# Altium PCB OBC.PcbDoc (part 2 of 2)
Units mil, origin at the board's own origin, x right, y up, seen from the top; angles counter-clockwise.
Board outline 3775.2 x 3550 mil, 4 copper layers (Top Layer, horizontal, vertical, Bottom Layer), stack 70.112 mil thick; 125 components, 157 nets, 629 pads, 282 vias.
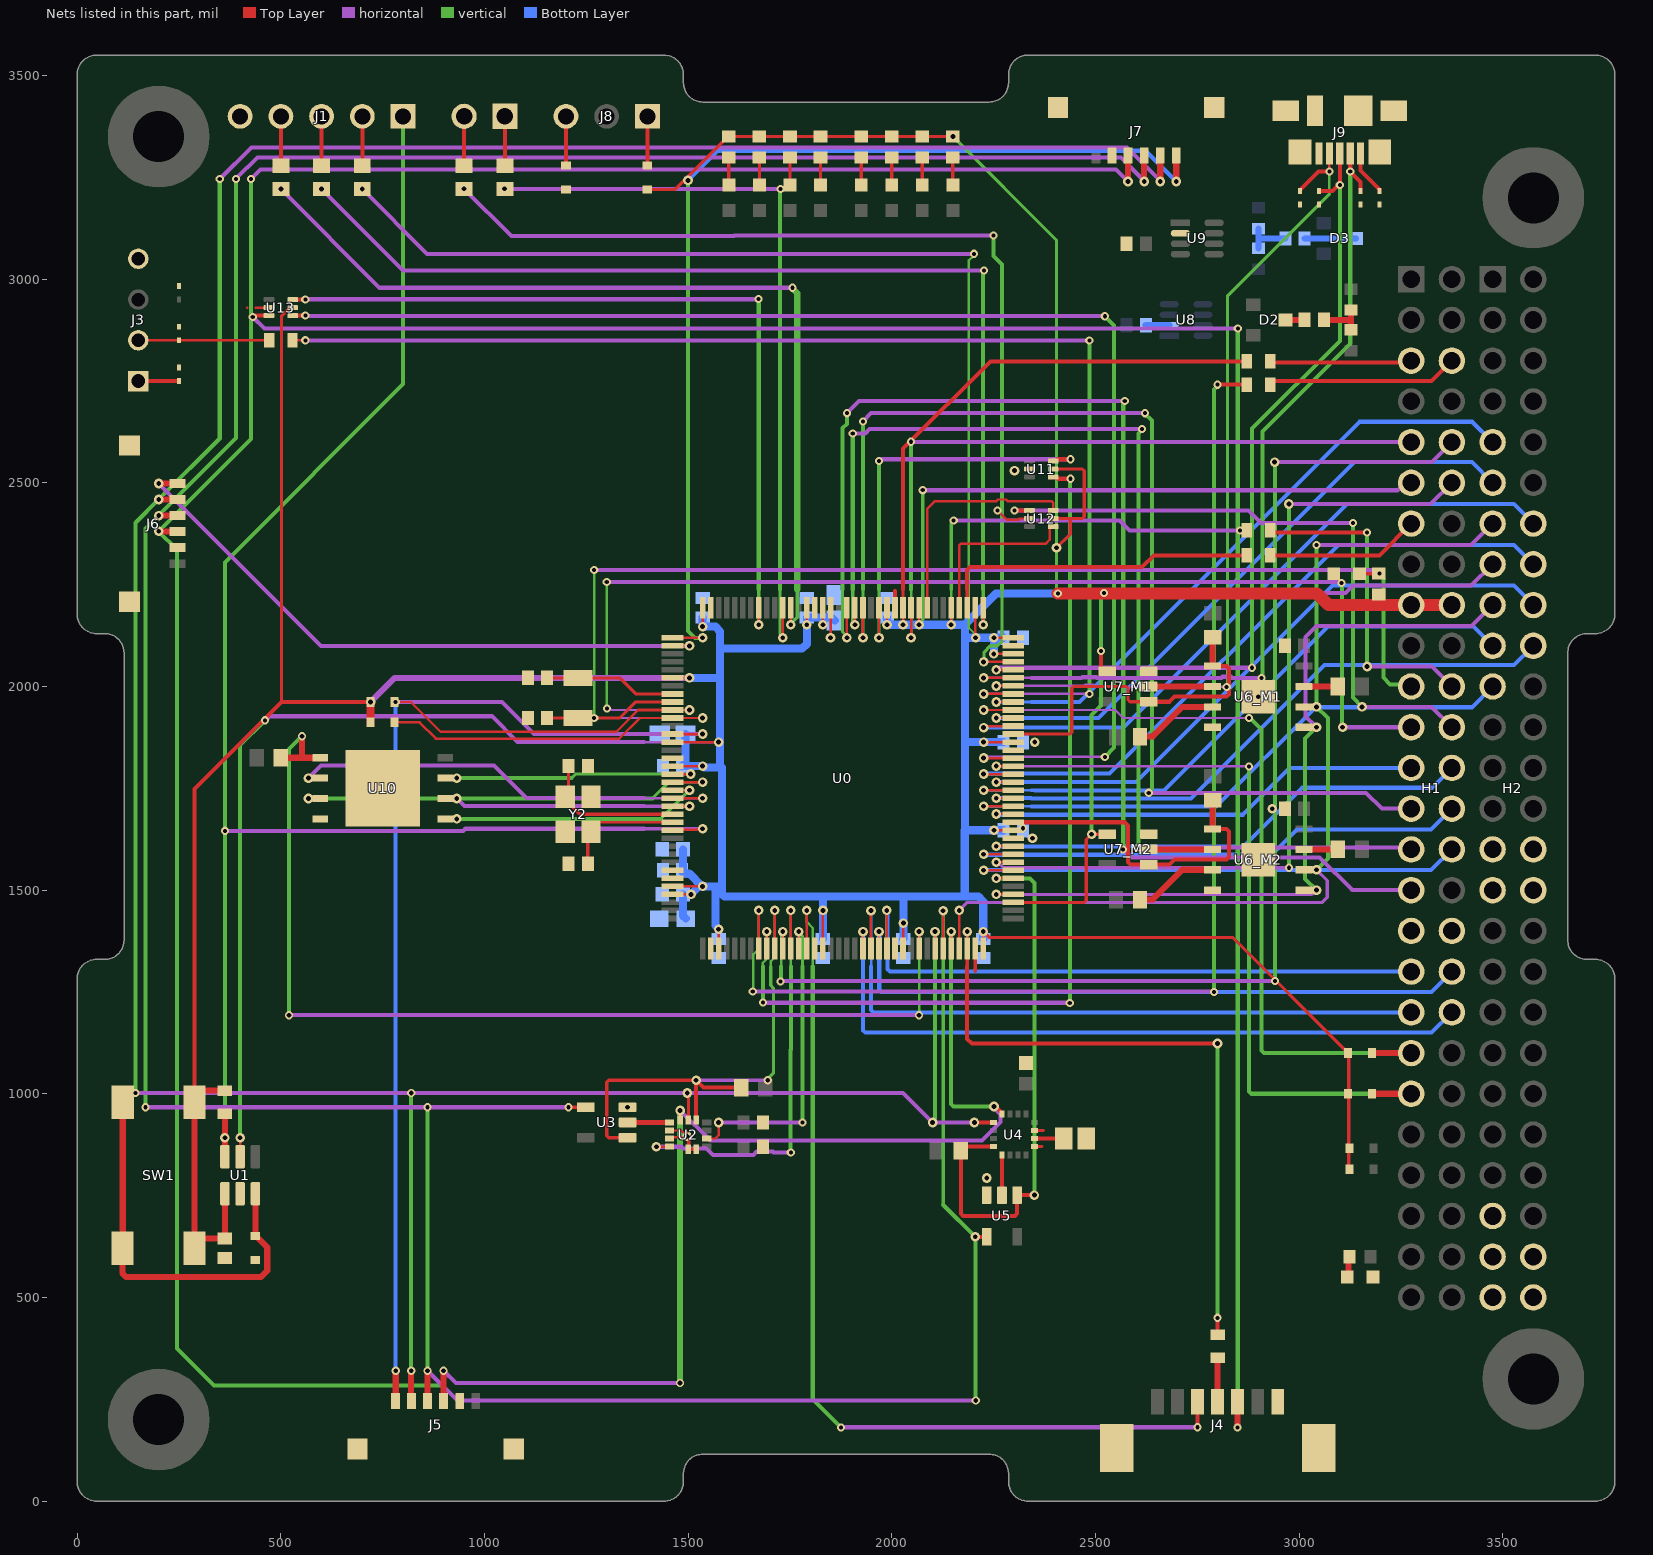
[diagram p4: the nets of this part, all layers, seen from the top]

## Via types
v1: diameter 23.62, hole 11.81, Top Layer to vertical, 111 vias
v2: diameter 20, hole 10, horizontal to vertical, 62 vias
v3: diameter 23.62, hole 11.81, Top Layer to Bottom Layer, 50 vias
v4: diameter 20, hole 10, Top Layer to vertical, 12 vias
v5: diameter 23.62, hole 11.81, Top Layer to horizontal, 11 vias
v6: diameter 20, hole 10, Top Layer to horizontal, 11 vias
v7: diameter 23.62, hole 11.81, horizontal to vertical, 6 vias
v8: diameter 20, hole 11.81, horizontal to vertical, 5 vias
v9: diameter 20, hole 11.81, Top Layer to vertical, 5 vias
v10: diameter 20, hole 10, horizontal to Bottom Layer, 3 vias
v11: diameter 23.62, hole 11.81, vertical to Bottom Layer, 2 vias
v12: diameter 20, hole 10, vertical to Bottom Layer, 2 vias
v13: diameter 20, hole 10, Top Layer to Bottom Layer, 1 vias
v14: diameter 20, hole 11.81, Top Layer to Bottom Layer, 1 vias

## Nets (pads, with @x,y where several pads share a name; then routed paths per layer and width w, separated by ;. In a path a pad name is that pad's centre, name@x,y a point inside that pad or via, vN(x,y) a via of type N, cw(c..) or ccw(c..) an arc to the next point about the centre after c; other vN are vias at no path point) (continued)
GND: C1.2 C2.2 C3.2 C4.2 C5.2 C6.2 C7.2 C8.2 C9.2 C10.2 C11.2 C12.2 C13.2 C14.2 C15.2 C16.2 C17.2 C18.2 C19.2 C20.2 C21.2 C22.2 C23.2 C24.2 C25.2 C26.2 C27_M1.2 C27_M2.2 C28.2 C29.2 C30.2 C31.2 D1.1 D2.3 D3.3 D9.2 D10.2 D11.2 D15.1 D16.2 D17.2 D18.2 D19.2 H1.33 H1.34 H2.29 H2.30 H2.31 H2.32 H2.50 H2.52 J1.5 J3.4 J4.7 J4.8 J4.9 J5.5 J5.7 J5.8 J6.5 J6.7 J6.8 J7.5 J7.7 J7.8 J9.5 J9.6 J9.7 J9.8 J9.9 J9.10 J9.11 R14.1 R41.2 U0.16 U0.30 U0.31 U0.38 U0.51 U0.61 U0.71 U0.83 U0.94 U0.107 U0.120 U0.130 U0.143 U1.2 U2.2 U2.3 U2.6 U2.7 U3.3 U4.9 U4.11 U5.3 U6_M1.4 U6_M1.9 U6_M2.4 U6_M2.9 U7_M1.3 U7_M2.3 U8.2 U9.2 U10.4 U10.9 U11.2 U12.2 U13.2 Y2.2 Y2.4 | length 644.6
  Top Layer w6: 417.55,2929.71 418.16,2930.31 ; 438.34,2930.31 U13.2@470.87,2930.31 ; U2.2@1454.23,909.84 1483.24,909.84 v5(1497.43,895.65) 1494.68,892.91 1462.55,892.91 1461.55,891.91 U2.3@1461.55,890.95 ; U0.51@1810.26,1357.54 U0.51@1811.1,1356.69 ; U0.61@2007.95,1356.69 U0.61@2008.23,1356.97 ; v6(2259.44,2432.16) 2282.44,2409.16 2310.72,2409.16 2314.03,2412.47 U12.2@2338,2412.47
  Top Layer w8: U2.3@1454.23,890.16 1460.76,890.16 U2.3@1461.55,890.95 ; v5(1497.43,895.65) 1497.43,891.43 1501.2,887.65 U2.6@1501.2,864.07 ; U2.6@1500,864.07 U2.7@1519.68,864.07 ; U4.9@2350.2,870.47 2368.37,870.47 ; U4.11@2350.2,909.84 2372.06,909.84
  Top Layer w9: 2204.8,1301.45 U0.71@2204.8,1356.69
  Top Layer w10: U0.120@2007.95,2193.31 2007.95,2234.88
  Top Layer w15: D2.3@2966.61,2900 C29.2@3013.62,2900
  Bottom Layer w6: C8.2@2321.93,1647.05 v12(2321.93,1652.05)
  Bottom Layer w15: C28.2@2623.62,2887.2 U8.2@2681.21,2887.2 ; C31.2@3013.62,3100 D3.3@3139.37,3100
  other v1: 2233.12,793.19 2345.55,1627.36 2900,1975
  other v5: 1351.18,966.93 2934.25,1700 2301.19,2530
  other v11: 2351.04,1863.58
GPIO01: H1.25 U0.86 | length 1106.8
  Top Layer w6: v3@2258.44,1686.91 2297.82,1686.91 U0.86@2298.31,1686.42
  Bottom Layer w10: v3(2256.73,1686.91) 2258.48,1685.16 2342.76,1685.16 2862.16,1685.16 2977,1800 H1.25@3275.2,1800
GPIO02: H1.35 U0.60 | length 1526.9
  Top Layer w6: v3(1987.85,1450.2) 1988.06,1449.99 1988.06,1356.9 U0.60@1988.27,1356.69
  Bottom Layer w10: v3(1987.85,1450.2) 1989.39,1448.66 1989.39,1312.24 1989.39,1305.86 1995.25,1300 H1.35@3275.2,1300
GPIO03: H1.37 U0.58 | length 1665.4
  Top Layer w6: U0.58@1948.9,1356.69 v3(1948.9,1449.7)
  Bottom Layer w6: v3(1948.9,1449.7) 1949.21,1449.39 1949.21,1312.24
  Bottom Layer w10: 1949.21,1312.24 1949.21,1205.86 1955.07,1200 H1.37@3275.2,1200
GPIO04: H1.26 U0.82 | length 1239.7
  Top Layer w6: v3(2256.73,1607.68) U0.82@2298.31,1607.68
  Bottom Layer w10: v3(2256.73,1607.68) 2342.76,1607.68 2863.98,1607.68 3007.67,1751.37 3326.57,1751.37 H1.26@3375.2,1800
GPIO05: H1.28 U0.81 | length 1270.9
  Top Layer w6: v3@2224.49,1587.99 U0.81@2298.31,1587.99
  Bottom Layer w10: v3(2225.47,1587.99) 2226.6,1586.87 2342.76,1586.87 2932.87,1586.87 2995,1649 3324.2,1649 H1.28@3375.2,1700
GPIO06: H1.30 U0.79 | length 1245.4
  Top Layer w6: v3@2224.49,1548.62 U0.79@2298.31,1548.62
  Bottom Layer w10: v3(2225.47,1548.62) 2226.6,1549.75 2342.01,1549.75 2342.76,1549 3324.2,1549 H1.30@3375.2,1600
GPIO07: H2.19 U0.89 | length 1510
  Top Layer w6: v3@2224.49,1745.47 U0.89@2298.31,1745.47
  Bottom Layer w6: v3(2225.47,1745.47) 2342.44,1745.47 2342.76,1745.16
  Bottom Layer w8.76: 2342.76,1745.16 2351.04,1745.16
  Bottom Layer w10: 2351.04,1745.16 2668.32,1745.16 3070.64,2147.48 3427.72,2147.48 H2.19@3475.2,2100
GPIO08: H2.21 U0.87 | length 1445.3
  Top Layer w6: v3(2225.47,1706.1) U0.87@2298.31,1706.1
  Bottom Layer w6: v3(2225.47,1706.1) 2225.72,1706.35 2341.56,1706.35 2342.76,1705.16
  Bottom Layer w10: 2342.76,1705.16 2796.16,1705.16 3040,1949 3424.2,1949 H2.21@3475.2,2000
GPIO09: H2.14 U0.97 | length 1672.5
  Top Layer w6: v3@2224.49,1899.02 2227.55,1902.08 2297.43,1902.08 U0.97@2298.31,1902.95
  Bottom Layer w10: v3(2225.47,1899.02) 2342.76,1899.02 2569.02,1899.02 3118,2448 3527.2,2448 H2.14@3575.2,2400
GPIO10: H2.16 U0.91 | length 1676
  Top Layer w6: v3@2224.65,1785 2298.15,1785 U0.91@2298.31,1784.84
  Bottom Layer w10: v3(2225.47,1785.16) 2226.28,1785.97 2342.76,1785.97 2534.97,1785.97 3096.48,2347.48 3527.72,2347.48 H2.16@3575.2,2300
GPIO11: H2.18 U0.90 | length 1579.5
  Top Layer w6: v3(2256.73,1765.16) U0.90@2298.31,1765.16
  Bottom Layer w10: v3(2256.73,1765.16) 2342.76,1765.16 2599.8,1765.16 3082.13,2247.48 3527.72,2247.48 H2.18@3575.2,2200
GPIO12: H2.20 U0.88 | length 1515.6
  Top Layer w6: v3(2256.73,1725.79) U0.88@2298.31,1725.79
  Bottom Layer w10: v3(2256.73,1725.79) 2342.13,1725.79 2342.76,1725.16 2735.16,1725.16 3062.52,2052.52 3527.72,2052.52 H2.20@3575.2,2100
GPIO13: H2.9 U0.100 | length 1565.7
  Top Layer w6: v3(2256.73,1962.01) U0.100@2298.31,1962.01
  Bottom Layer w8: v3(2256.73,1962.01) 2342.76,1962.01
  Bottom Layer w10: 2342.76,1962.01 2460.47,1962.01 3148.46,2650 3425.2,2650 H2.9@3475.2,2600
GPIO14: H2.11 U0.98 | length 1541.4
  Top Layer w6: v3(2256.73,1922.64) U0.98@2298.31,1922.64
  Bottom Layer w10: v3(2256.73,1922.64) 2342.76,1922.64 2508.02,1922.64 3136.38,2551 3424.2,2551 H2.11@3475.2,2500
GPIO15: H1.36 U0.59 | length 1613.4
  Top Layer w6: U0.59@1968.58,1356.69 v3(1968.58,1398.27)
  Bottom Layer w10: v3(1968.58,1398.27) 1969.21,1397.64 1969.21,1312.24 1969.21,1255.86 1975.07,1250 3325.2,1250 H1.36@3375.2,1300
GPIO16: H1.38 U0.57 | length 1753.1
  Top Layer w6: U0.57@1929.21,1356.69 v3(1929.21,1398.27)
  Bottom Layer w10: v3(1929.21,1398.27) 1929.21,1312.24 1929.21,1155.86 1935.07,1150 3325.2,1150 H1.38@3375.2,1200
GPS_2_OBC: J4.5 U13.3 | length 5232.7
  Top Layer w10: v6(431,2907.31) 433.71,2907.31 437.02,2910.63 U13.3@470.87,2910.63
  Top Layer w15: v4(2849.21,181) J4.5@2849.21,244.17
  horizontal w10: v6(431,2907.31) 459.71,2878.61 v2(2849.61,2878.61)
  vertical w10: v4(2849.21,181) 2849.41,181.2 2849.41,2878.41 v2(2849.61,2878.61)
I2C1_SCL: U0.129 | length 41.6
  Top Layer w6: v1(1830.79,2151.73) U0.129@1830.79,2193.31
I2C1_SDA: U0.128 | length 74.2
  Top Layer w6: v1(1849.49,2119.49) 1849.98,2119.98 1849.98,2192.81 U0.128@1850.47,2193.31
I2C2_SCL: H1.21 R3.1 U0.11 | length 3691
  Top Layer w6: R3.1@779.53,1912.01 840.67,1912.01 880.73,1871.95 1330.85,1871.95 1381.53,1922.64 U0.11@1461.69,1922.64 v1(1535.51,1922.64)
  horizontal w6: v2(1269.37,1922.64) v1(1535.51,1922.64)
  horizontal w10: v2(1269.37,2286) 3185.29,2286 3194.29,2277 v2(3197,2277)
  vertical w6: v2(1269.37,1922.64) v2(1269.37,2286)
  vertical w10: v2(3197,2277) 3197,2274.29 3207,2264.29 3207,2021.74 3223.77,2004.97 3270.23,2004.97 H1.21@3275.2,2000
I2C2_SDA: H1.23 R4.1 U0.10 | length 3623.9
  Top Layer w6: R4.1@779.53,1962.01 818.99,1962.01 892.05,1888.95 1323.81,1888.95 1377.18,1942.32 ; U0.10@1461.69,1942.32 v1(1503.27,1942.32)
  Top Layer w8: 1377.18,1942.32 U0.10@1461.69,1942.32
  horizontal w6: v2(1301,1945.64) 1303.68,1942.96 1310.88,1942.96 1311.51,1942.32 v1(1503.27,1942.32)
  horizontal w10: v2(1300.25,2256.75) 1300.5,2257 3101.14,2257 v2@3107,2251.14 ; v7(3107,1900) H1.23@3275.2,1900
  vertical w6: v2(1300.25,2256.75) 1300.5,2256.5 1300.5,1946.14 v2(1301,1945.64)
  vertical w10: v2(3104.07,2254.07) 3105.54,2252.61 3105.54,1901.46 v7(3107,1900)
I2C3_SCL: H1.41 R5.1 U0.92 | length 1955.8
  Top Layer w6: v1(2256.73,1804.53) U0.92@2298.31,1804.53
  Top Layer w15: R5.1@3179.53,1000 H1.41@3275.2,1000
  horizontal w6: v1(2256.73,1804.53) 2257.26,1804 2342.76,1804 v2(2877,1804)
  vertical w10: v2(2877,1804) 2877,1005.86 2882.86,1000 H1.41@3274.53,1000
I2C3_SDA: H1.39 R6.1 U0.99 | length 2030
  Top Layer w6: v1@2224.49,1942.32 U0.99@2298.31,1942.32
  Top Layer w15: R6.1@3179.53,1100 H1.39@3275.2,1100
  horizontal w6: v1(2225.47,1942.32) 2548.57,1942.32 2568.25,1922.64 v2(2877,1922.64)
  vertical w10: v2(2877,1922.64) 2879.71,1922.64 2908,1894.34 2908,1105.86 2913.86,1100 H1.39@3275.2,1100
IMU_MISO_BUF: U2.1 U3.2 | length 103.1
  Top Layer w12: U3.2@1351.18,929.53 U2.1@1454.23,929.53
INT1_ISM330ISN: U0.48 U2.4 | length 1063.3
  Top Layer w6: v1(1422,870) 1422.24,870.24 1454,870.24 U2.4@1454.23,870.47 ; U0.48@1752.05,1356.69 v3(1752.05,1450.2)
  horizontal w10: v1(1422,870) 1483.39,870 1487.21,866.17 1544.91,866.17 1561.28,849.8 1660.19,849.8 1668.39,858 1707.86,858 1709.86,856 v2(1752.05,856)
  vertical w6: v3(1752.05,1450.2) 1752.05,1355.51 1752.36,1355.2 1752.36,1312.24
  vertical w10: v2(1752.05,856) 1751.73,856.31 1751.73,1107.59 1752.36,1108.22 1752.36,1312.24
INT2_ISM330ISN: U0.49 U2.9 | length 784.1
  Top Layer w6: U2.9@1545.77,890.16 1566.93,890.16 1574.88,898.11 v1(1574.88,929.53) ; U0.49@1771.73,1356.69 v3(1771.73,1398.27)
  horizontal w10: v1(1574.88,929.53) v2(1781,929.53)
  vertical w8: v3(1771.73,1398.27) 1771.73,1394.58 1781,1385.31 1781,1312.24
  vertical w10: v2(1781,929.53) 1781,1312.24
KS_OPEN: H2.51
LPUART1_RX: U0.93 U13.4 | length 3467.9
  Top Layer w6: v1@2224.65,1824.37 2298.15,1824.37 U0.93@2298.31,1824.21
  Top Layer w10: U13.4@529.13,2910.63 v6(560,2910.63)
  horizontal w6: v1(2225.47,1824.53) 2227.94,1827 v2(2523,1827)
  horizontal w10: v6(560,2910.63) 560.82,2909.81 2522.18,2909.81 v2(2523,2909)
  vertical w10: v2(2523,1827) 2546,1850 2546,2886 v2(2523,2909)
LPUART1_TX: R12.2 U0.70 | length 1597.7
  Top Layer w6: U0.70@2185.12,1356.69 v1(2185.12,1398.27)
  Top Layer w8: 2185.12,1312.24 U0.70@2185.12,1356.69
  Top Layer w10: 2185.12,1312.24 2185.12,1134.86 2196.51,1123.46 v1(2799.68,1123.46) ; R12.2@2800,408.54 v4(2800,450)
  vertical w10: v1(2799.68,1123.46) 2799.68,1113.83 2800,1113.51 v4(2800,450)
MAG_MISO_BUF: U4.5 U5.2 | length 98.6
  Top Layer w10: U5.2@2270.52,751.18 U4.5@2270.47,849.8
MRAM_MISO_BUF_M1: U6_M1.2 U7_M1.2 | length 156.6
  Top Layer w15: U7_M1.2@2631.18,2000 U6_M1.2@2787.8,2000
MRAM_MISO_BUF_M2: U6_M2.2 U7_M2.2 | length 156.6
  Top Layer w15: U7_M2.2@2631.18,1600 U6_M2.2@2787.79,1600
nCS_ISM330ISN: R15.1 U0.46 U2.12 U3.1 | length 1321.1
  Top Layer w6: U0.46@1712.68,1356.69 v3(1712.68,1450.2)
  Top Layer w8: U3.1@1351.18,892.13 1304.69,892.13 1300,896.81 1300,1028.63 1304.69,1033.31 v1(1519.68,1033.31)
  Top Layer w10: U2.12@1519.68,935.93 v1(1519.68,1033.31) 1538,1015 R15.1@1630.47,1015
  horizontal w8: v1(1519.68,1033.31) v2(1695.43,1033.31)
  vertical w6: 1702.73,1312.24 1702.73,1325.2 1712.68,1335.14 v3(1712.68,1450.2)
  vertical w8: v2(1695.43,1033.31) 1695.43,1036.56 1709.36,1050.49 1709.36,1259.43 1702.73,1266.06 1702.73,1312.24
nCS_MMC5983MA: R16.1 U0.78 U4.4 U5.1 | length 1380.9
  Top Layer w6: v3(2256.73,1528.94) U0.78@2298.31,1528.94
  Top Layer w10: U4.4@2249.86,870.47 2169.58,870.47 2169.58,705.86 2175.44,700 2302.07,700 2307.93,705.86 U5.1@2307.93,751.18 ; U5.1@2309.75,753 2311.51,751.23 v1(2350.25,751.23)
  vertical w10: v3(2256.73,1528.94) 2339,1528.94 2350.25,1517.69 v1(2350.25,751.23)
nCS_MRAM_M1: R20_M1.1 U0.96 U6_M1.1 U7_M1.1 | length 856.8
  Top Layer w8: U0.96@2298.31,1883.27 2437.34,1883.27 2442.02,1887.95 2442.02,1995.31 2446.71,2000 2575.31,2000 2580,1995.31 2580,1967.28 2584.69,1962.6 U7_M1.1@2631.18,1962.6
  Top Layer w10: U7_M1.1@2631.18,1962.6 2681.38,1962.6 2693.78,1975 2822.14,1975 2828,1980.86 2828,2044.14 2822.14,2050 U6_M1.1@2787.8,2050
  Top Layer w15: U6_M1.1@2787.8,2050 R20_M1.1@2787.79,2120.47
nCS_MRAM_M2: R20_M2.1 U0.85 U6_M2.1 U7_M2.1 | length 809.3
  Top Layer w10: U0.85@2298.31,1666.73 2571.4,1666.73 2580,1658.14 2580,1568.46 2585.86,1562.6 U7_M2.1@2631.18,1562.6 2681.38,1562.6 2693.78,1575 2822.14,1575 2828,1580.86 2828,1644.14 2822.14,1650 U6_M2.1@2787.79,1650
  Top Layer w15: U6_M2.1@2787.79,1650 R20_M2.1@2787.79,1720.47
nCubeReset: H2.47
NetC26_1: C26.1 U4.10 | length 72.2
  Top Layer w10: U4.10@2350.2,890.16 C26.1@2422.44,890.16
NetC29_1: C29.1 R21.2 R22.1 | length 117.8
  Top Layer w15: C29.1@3060.87,2900 3120.79,2900 3127.24,2893.55 ; R21.2@3127.24,2875.64 3127.24,2893.55 ; R22.1@3127.24,2924.36 3127.24,2893.55
NetC31_1: C31.1 R23.2 R24.1 | length 108.6
  Bottom Layer w15: R24.1@2900,3075.64 R23.2@2900,3124.36 ; 2906.45,3100 C31.1@2966.38,3100
NetD1_2: D1.2 R17.2 | length 47.4
  Top Layer w8: D1.2@3148.2,2277 R17.2@3195.65,2277
NetD4_2: D4.2 R30.2 | length 67.9
  Top Layer w8: D4.2@2150,3231.5 R30.2@2150,3299.41
NetD5_2: D5.2 R31.2 | length 67.9
  Top Layer w8: D5.2@2075,3231.5 R31.2@2075,3299.41
NetD6_2: D6.2 R32.2 | length 67.9
  Top Layer w8: D6.2@2000,3231.5 R32.2@2000,3299.41
NetD7_2: D7.2 R33.2 | length 67.9
  Top Layer w8: D7.2@1925,3231.5 R33.2@1925,3299.41
NetD8_2: D8.2 R34.2 | length 67.9
  Top Layer w8: D8.2@1825,3231.5 R34.2@1825,3299.41
NetD9_1: D9.1 J3.1 | length 100
  Top Layer w10: J3.1@150,2750 D9.1@250,2750
NetD12_2: D12.2 R36.2 | length 67.9
  Top Layer w8: D12.2@1750,3231.5 R36.2@1750,3299.41
NetD13_2: D13.2 R37.2 | length 67.9
  Top Layer w8: D13.2@1675,3231.5 R37.2@1675,3299.41
NetD14_2: D14.2 R38.2 | length 67.9
  Top Layer w8: D14.2@1600,3231.5 R38.2@1600,3299.41
NetD15_2: D15.2 R39.2 | length 52.4
  Top Layer w15: D15.2@3118.5,550 3121.46,552.95 3121.46,597.05 R39.2@3124.41,600
NetD16_1: D16.1 J9.1 | length 111.9
  Top Layer w10: J9.1@3151.18,3309.06 3151.18,3266.89 3197.85,3220.22 3197.85,3216.61 D16.1@3197.93,3216.54
NetJ1_2: J1.2 R25.2 | length 121.5
  Top Layer w10: R25.2@700,3278.54 J1.2@700,3400
NetJ1_3: J1.3 R26.2 | length 121.5
  Top Layer w10: R26.2@600,3278.54 J1.3@600,3400
NetJ1_4: J1.4 R27.2 | length 121.5
  Top Layer w10: R27.2@500,3278.54 J1.4@500,3400
NetJ2_1: J2.1 R28.2 | length 121.5
  Top Layer w10: R28.2@1050,3278.54 J2.1@1050,3400
NetJ2_2: J2.2 R29.2 | length 121.5
  Top Layer w10: R29.2@950,3278.54 J2.2@950,3400
NetJ8_1: J8.1 R40.1 | length 120.5
  Top Layer w10: R40.1@1400,3279.53 J8.1@1400,3400
NetJ8_3: J8.3 R41.1 | length 120.5
  Top Layer w10: R41.1@1200,3279.53 J8.3@1200,3400
NetR14_2: R14.2 SW1.1 SW1.2 U1.3 | length 988.5
  Top Layer w15: SW1.2@111.81,979.13 111.81,621.26 SW1.1@111.42,620.87 111.42,558.57 120.2,549.79 451.04,549.79 466.71,565.46 466.71,623.05 441.71,648.05 439.74,648.05 R14.2@437.4,650.39 U1.3@437.4,754.53
NetR18_M1_2: R18_M1.2 U6_M1.3 | length 208.7
  Top Layer w15: R18_M1.2@2609.53,1876.57 2610.45,1877.49 2640.96,1877.49 2713.46,1950 U6_M1.3@2787.8,1950
NetR18_M2_2: R18_M2.2 U6_M2.3 | length 208.7
  Top Layer w15: R18_M2.2@2609.53,1476.57 2610.45,1477.49 2640.96,1477.49 2713.46,1550 U6_M2.3@2787.79,1550
NetR19_M1_2: R19_M1.2 U6_M1.7 | length 83.3
  Top Layer w15: U6_M1.7@3012.2,2000 R19_M1.2@3095.47,2000
NetR19_M2_2: R19_M2.2 U6_M2.7 | length 83.3
  Top Layer w15: U6_M2.7@3012.2,1600 R19_M2.2@3095.47,1600
nRESET: J1.1 R13.2 U0.25 U1.6 | length 4044.5
  Top Layer w6: U0.25@1461.69,1647.05 1463.38,1648.73 1533.57,1648.73 v1(1535.51,1650.68)
  Top Layer w15: U1.6@362.6,845.47 v1(362.6,892.13) R13.2@362.6,950.59
  horizontal w8: 1391.65,1650.68 v1(1535.51,1650.68)
  horizontal w10: v2(362.6,1645.69) 947.76,1645.69 952.75,1650.68 1391.65,1650.68
  vertical w10: v1(362.6,892.13) v2(362.6,1645.69) 362.6,2304.82 800,2742.22 J1.1@800,3400
nRESET_GPS: J4.3 U0.50 | length 2336.7
  Top Layer w6: U0.50@1791.42,1356.69 v3(1791.42,1450.2)
  Top Layer w10: v6(2750.79,181.21) J4.3@2750.79,244.17
  horizontal w10: v2(1875,180.62) 1875.59,181.21 v6(2750.79,181.21)
  vertical w6: v3(1791.42,1450.2) 1791.42,1421.58 1806,1406.99 1806,1312.24
  vertical w10: 1806,1312.24 1806,249.62 v2(1875,180.62)
OBC_2_A: H1.5 R7.1 | length 349.4
  Top Layer w10: R7.1@2928.98,2798.43 2932.01,2795.39 3270.59,2795.39 H1.5@3275.2,2800
OBC_2_B: H1.6 R8.1 | length 471.1
  Top Layer w10: R8.1@2928.98,2741.23 2928.98,2742.2 2936.77,2750 3325.2,2750 H1.6@3375.2,2800
OBC_2_DEBUG: D10.1 J3.2 R11.1 | length 321.5
  Top Layer w6: J3.2@150,2850 R11.1@471.46,2850
OBC_2_EPS: H1.13 R9.1 | length 378.5
  Top Layer w10: R9.1@2928.98,2322.02 3197.21,2322.02 H1.13@3275.2,2400
OBC_2_GPS: J4.4 R12.1 | length 107.3
  Top Layer w15: J4.4@2800,244.17 R12.1@2800,351.46
OBC_2_SR: H1.22 R10.1 | length 797.7
  Top Layer w10: R10.1@2928.98,2383.28 2934.25,2378 v4(3167,2378)
  horizontal w10: v7(3167,2049) 3326.2,2049 H1.22@3375.2,2000
  vertical w10: v7(3167,2049) v4(3167,2378)
OTG_DM: D17.1 J9.2 U0.103 | length 2195.5
  Top Layer w6: v1(2225.47,2021.06) U0.103@2298.31,2021.06
  Top Layer w10: J9.2@3125.59,3309.06 v4(3125.59,3264.17) 3151.18,3238.58 D17.1@3151.18,3216.54
  horizontal w6: v1(2225.47,2021.06) 2342.76,2021.06
  horizontal w10: 2342.76,2021.06 2466.39,2021.06 2468.02,2022.69 2501.98,2022.69 2503.61,2021.06 2809.06,2021.06 2812,2024 2832.71,2024 2835.65,2021.06 v2(2907.94,2021.06)
  vertical w10: v2(2907.94,2021.06) 2909.83,2022.96 2909.83,2625.75 3125.59,2841.51 v4(3125.59,3264.17)
OTG_DP: D18.1 J9.3 U0.104 | length 2081.4
  Top Layer w6: v1(2256.73,2040.75) U0.104@2298.31,2040.75
  Top Layer w10: D18.1@3048.82,3216.54 3082.33,3216.54 3097.29,3231.5 v4(3100,3231.5) J9.3@3100,3309.06
  horizontal w10: v1(2256.73,2040.75) 2260.42,2040.75 2265.73,2046.06 v2(2884.83,2046.06)
  vertical w10: v2(2884.83,2046.06) 2884.83,2633.64 3100,2848.81 v4(3100,3231.5)
OTG_ID: D19.1 J9.4 U0.102 | length 2109
  Top Layer w6: v1(2256.73,2001.38) U0.102@2298.31,2001.38 ; v4(3074.41,3264.17) J9.4@3074.41,3299.41
  Top Layer w10: D19.1@3002.07,3216.54 3002.07,3218.54 3047.7,3264.17 v4(3074.41,3264.17)
  horizontal w6: v1(2256.73,2001.38) 2472.16,2001.38 2475.47,2004.69 2494.53,2004.69 2500.22,1999 v2(2822.35,1999)
  vertical w6: 3074.41,3208.38 v4(3074.41,3264.17)
  vertical w8: v2(2822.35,1999) 2824,2000.65 2824,2957.97 3074.41,3208.38
PC14: C19.1 U0.8 Y1.1 | length 324.4
  Top Layer w8: C19.1@1153.62,2021.06 Y1.1@1230,2021.06 1332.04,2021.06 1371.41,1981.69 U0.8@1461.69,1981.69
PC15: C20.1 U0.9 Y1.2 | length 324.4
  Top Layer w8: C20.1@1153.62,1922.64 Y1.2@1230,1922.64 1332.04,1922.64 1371.41,1962.01 1391.65,1962.01 U0.9@1461.69,1962.01
PH0: C21.1 U0.23 Y2.1 | length 364.2
  Top Layer w8: C21.1@1206.38,1804.84 1206.38,1737.6 Y2.1@1198.5,1729.72 1218.13,1710.1 1218.13,1702.11 1233.82,1686.42 U0.23@1461.69,1686.42
PH1: C22.1 U0.24 Y2.3 | length 294.4
  Top Layer w6: Y2.3@1261.5,1643.11 1261.5,1646.11 1282.12,1666.73 U0.24@1461.69,1666.73
  Top Layer w8: C22.1@1253.62,1564.84 1253.62,1639.17 Y2.3@1259.53,1645.08
QUADSPI_BK1_IO0: U0.20 U10.5 | length 670.5
  Top Layer w6: U0.20@1461.69,1745.47 v1(1503.27,1745.47)
  Top Layer w8: U10.5@903.54,1675 v1(932.09,1675)
  vertical w8: 1432.8,1675 v1(1503.27,1745.47)
  vertical w10: v1(932.09,1675) 1432.8,1675
QUADSPI_BK1_IO1: U0.21 U10.2 | length 1116